# Altium PCB BMS.PcbDoc (part 1 of 3) (continued)
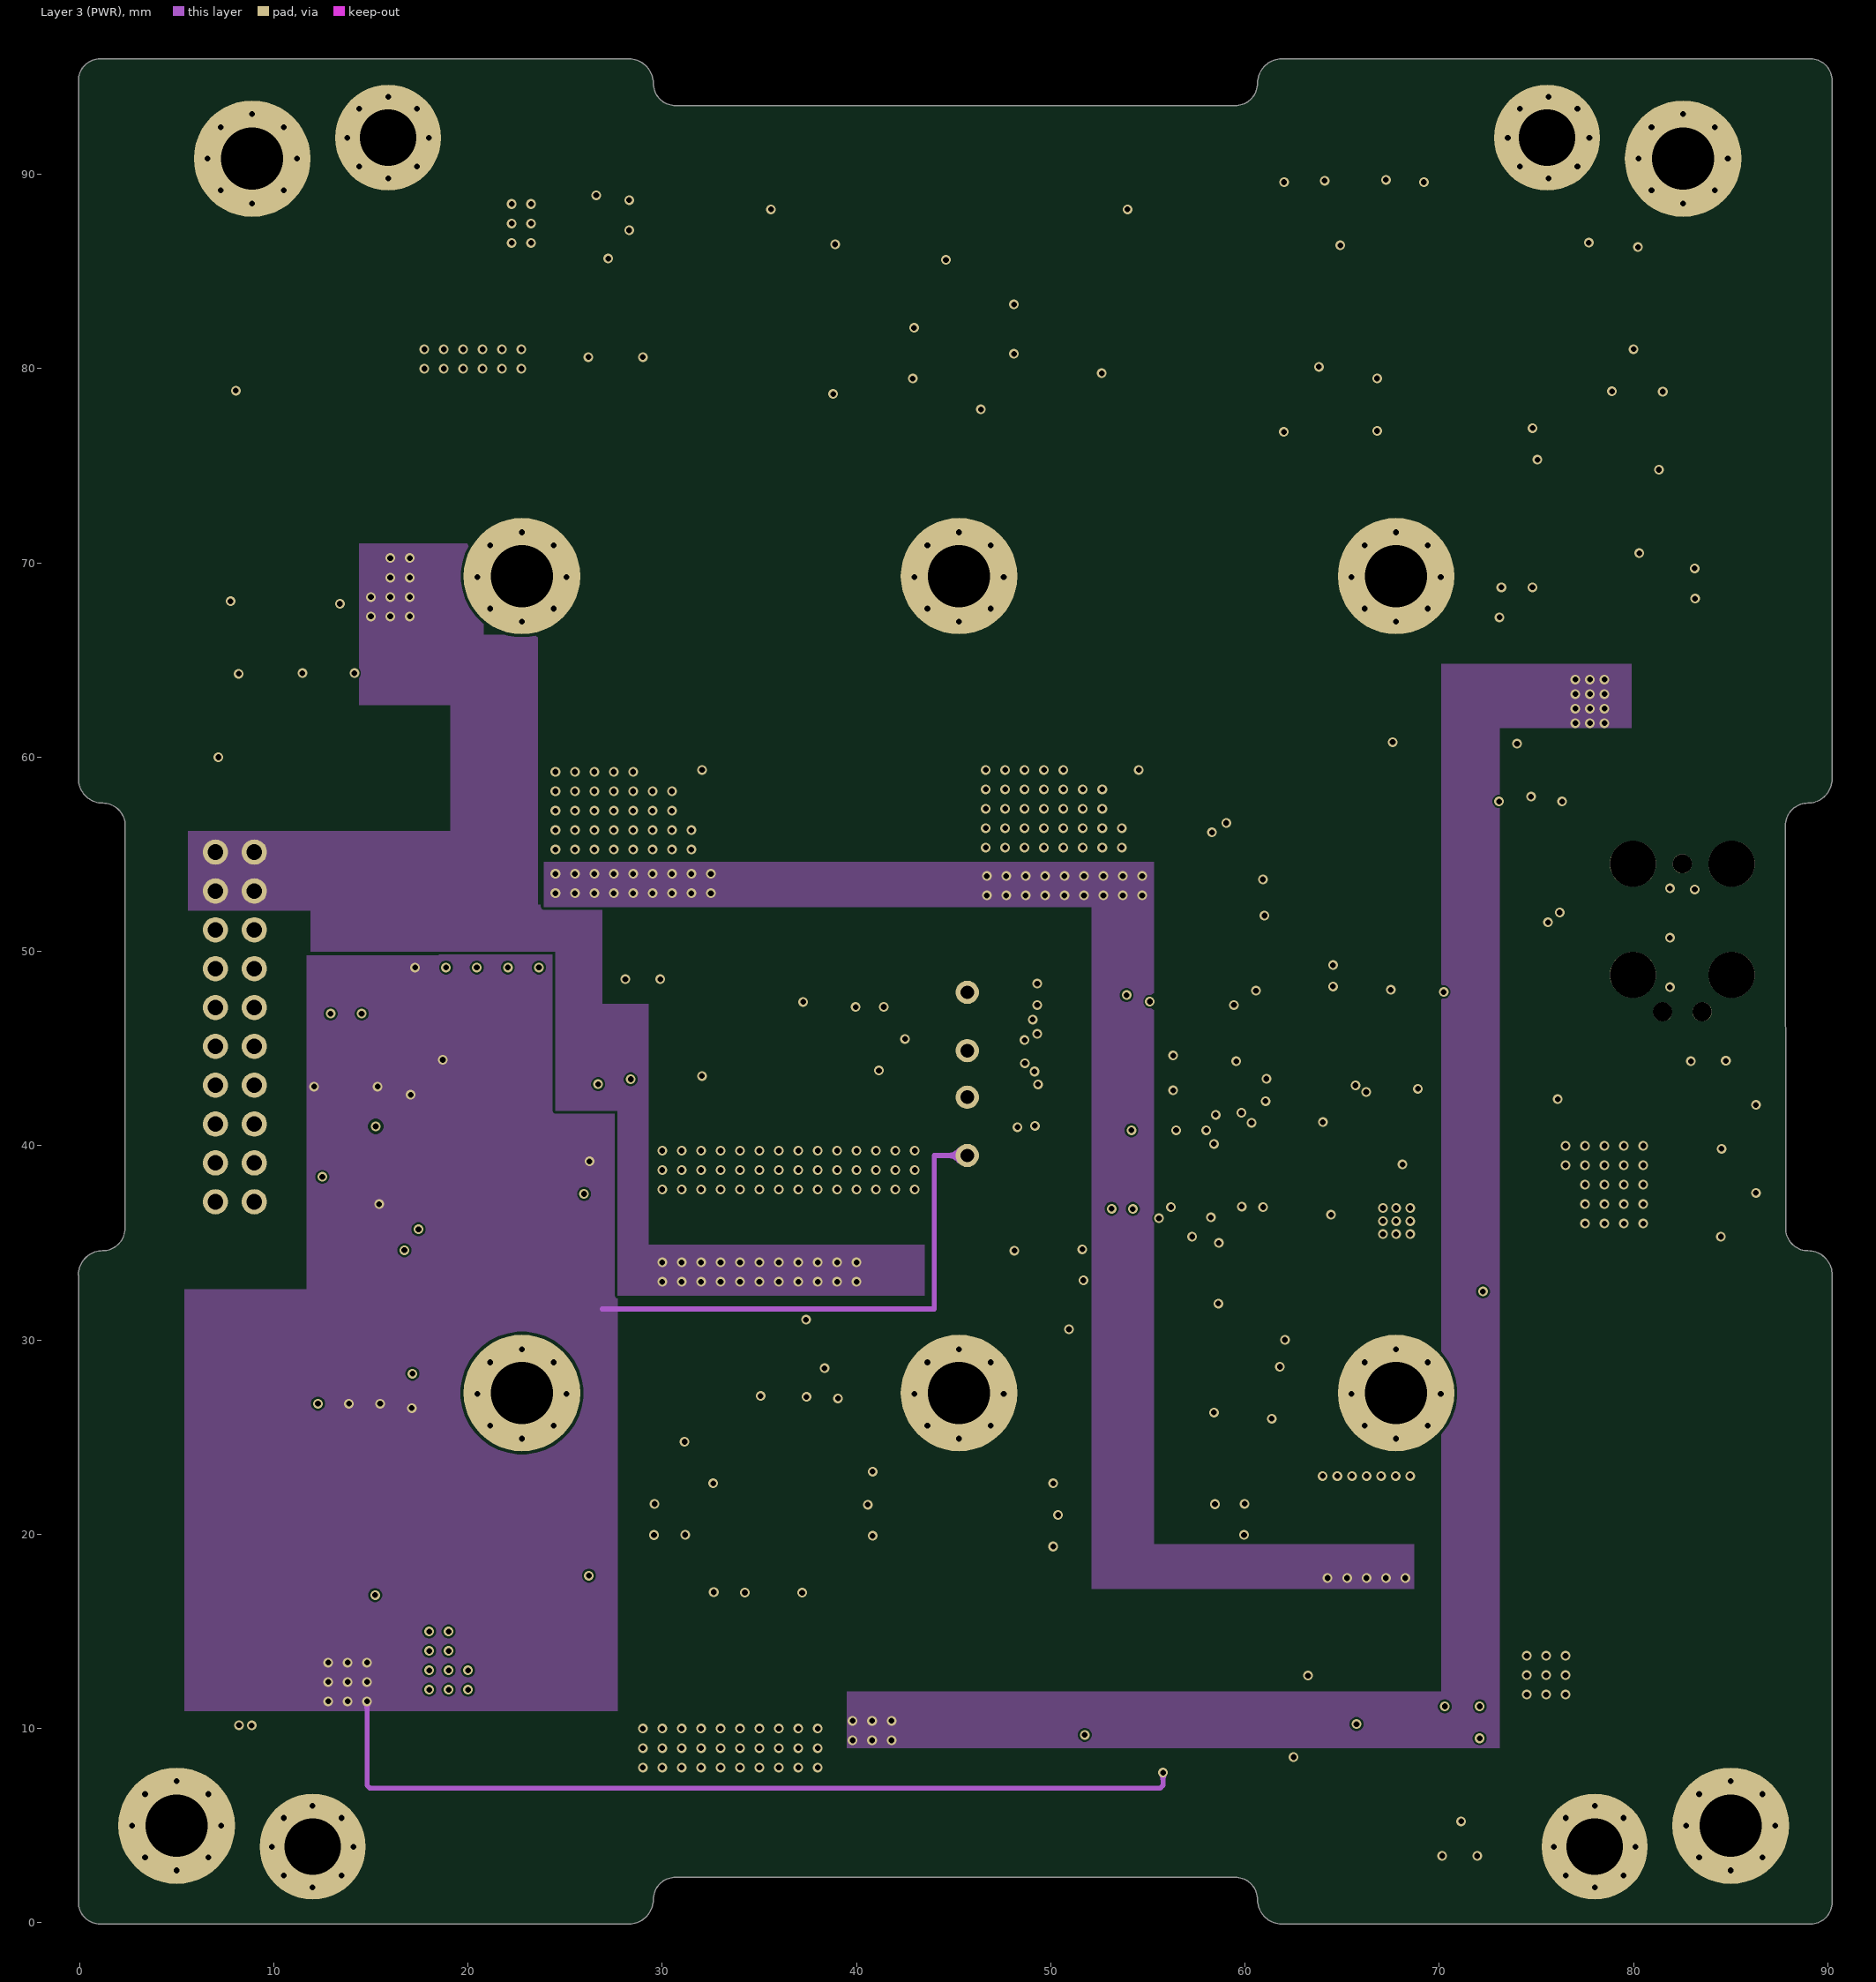
[diagram p4: Layer 3 (PWR)]
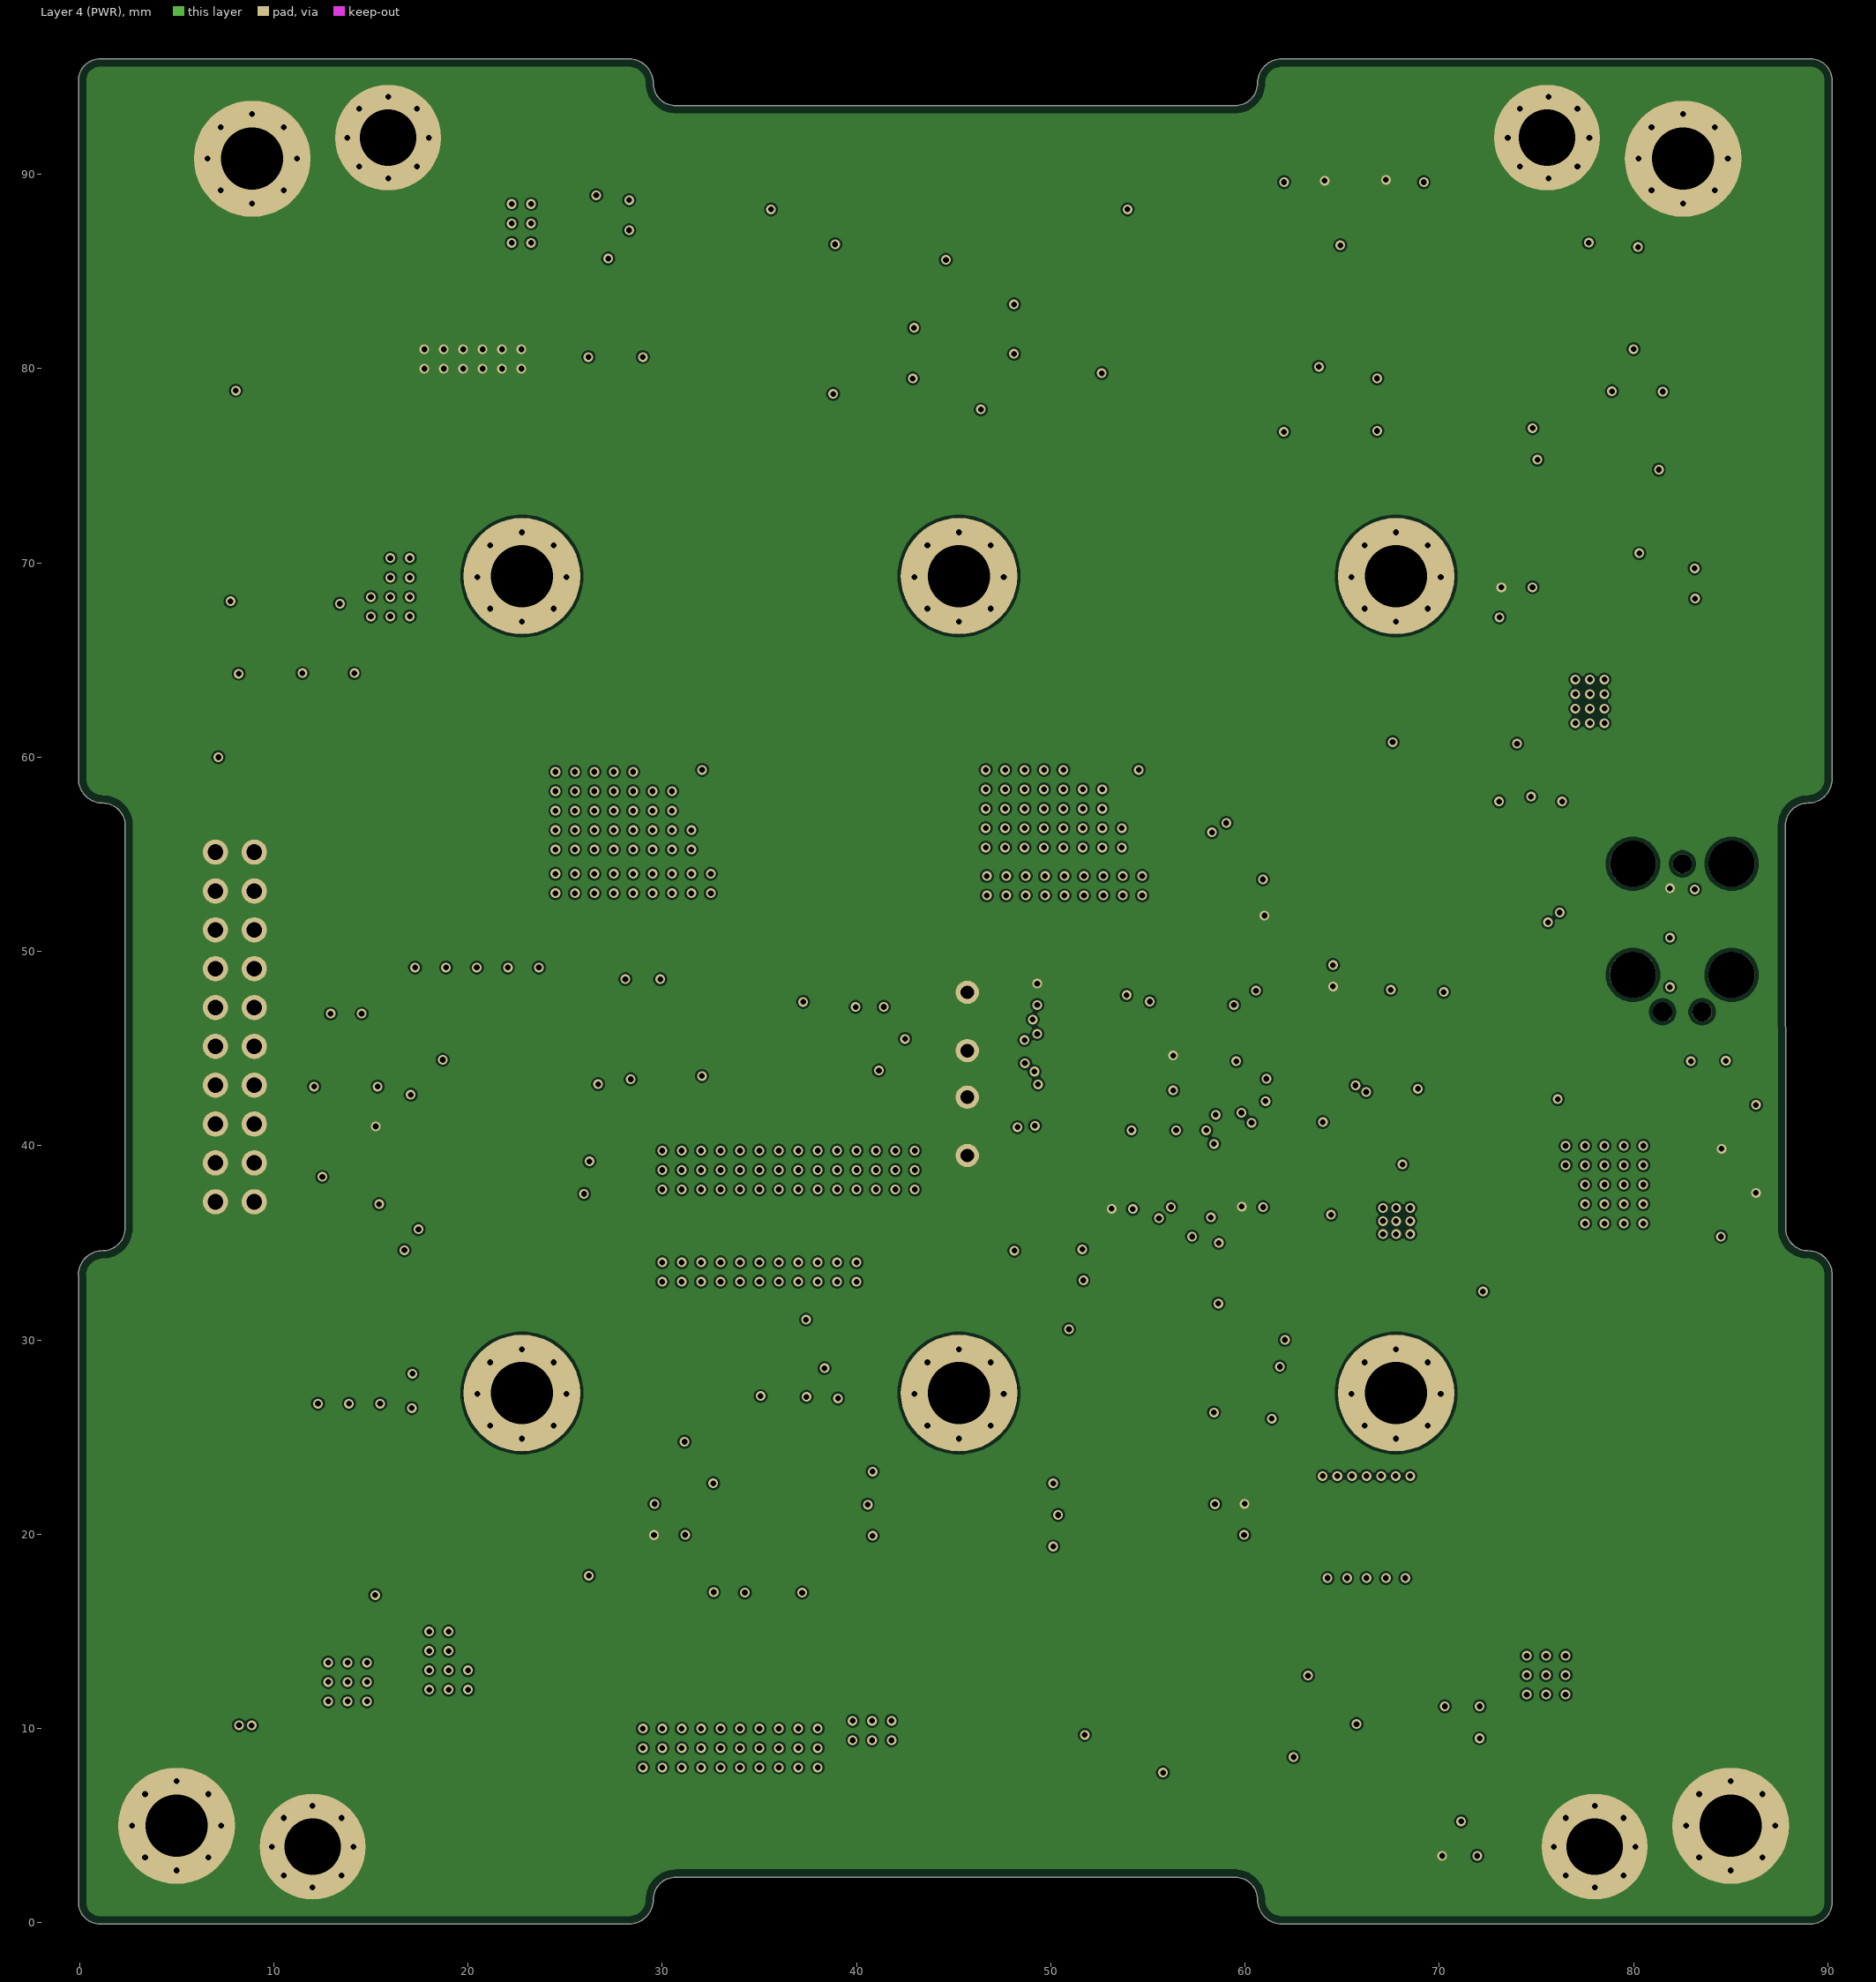
[diagram p5: Layer 4 (PWR)]
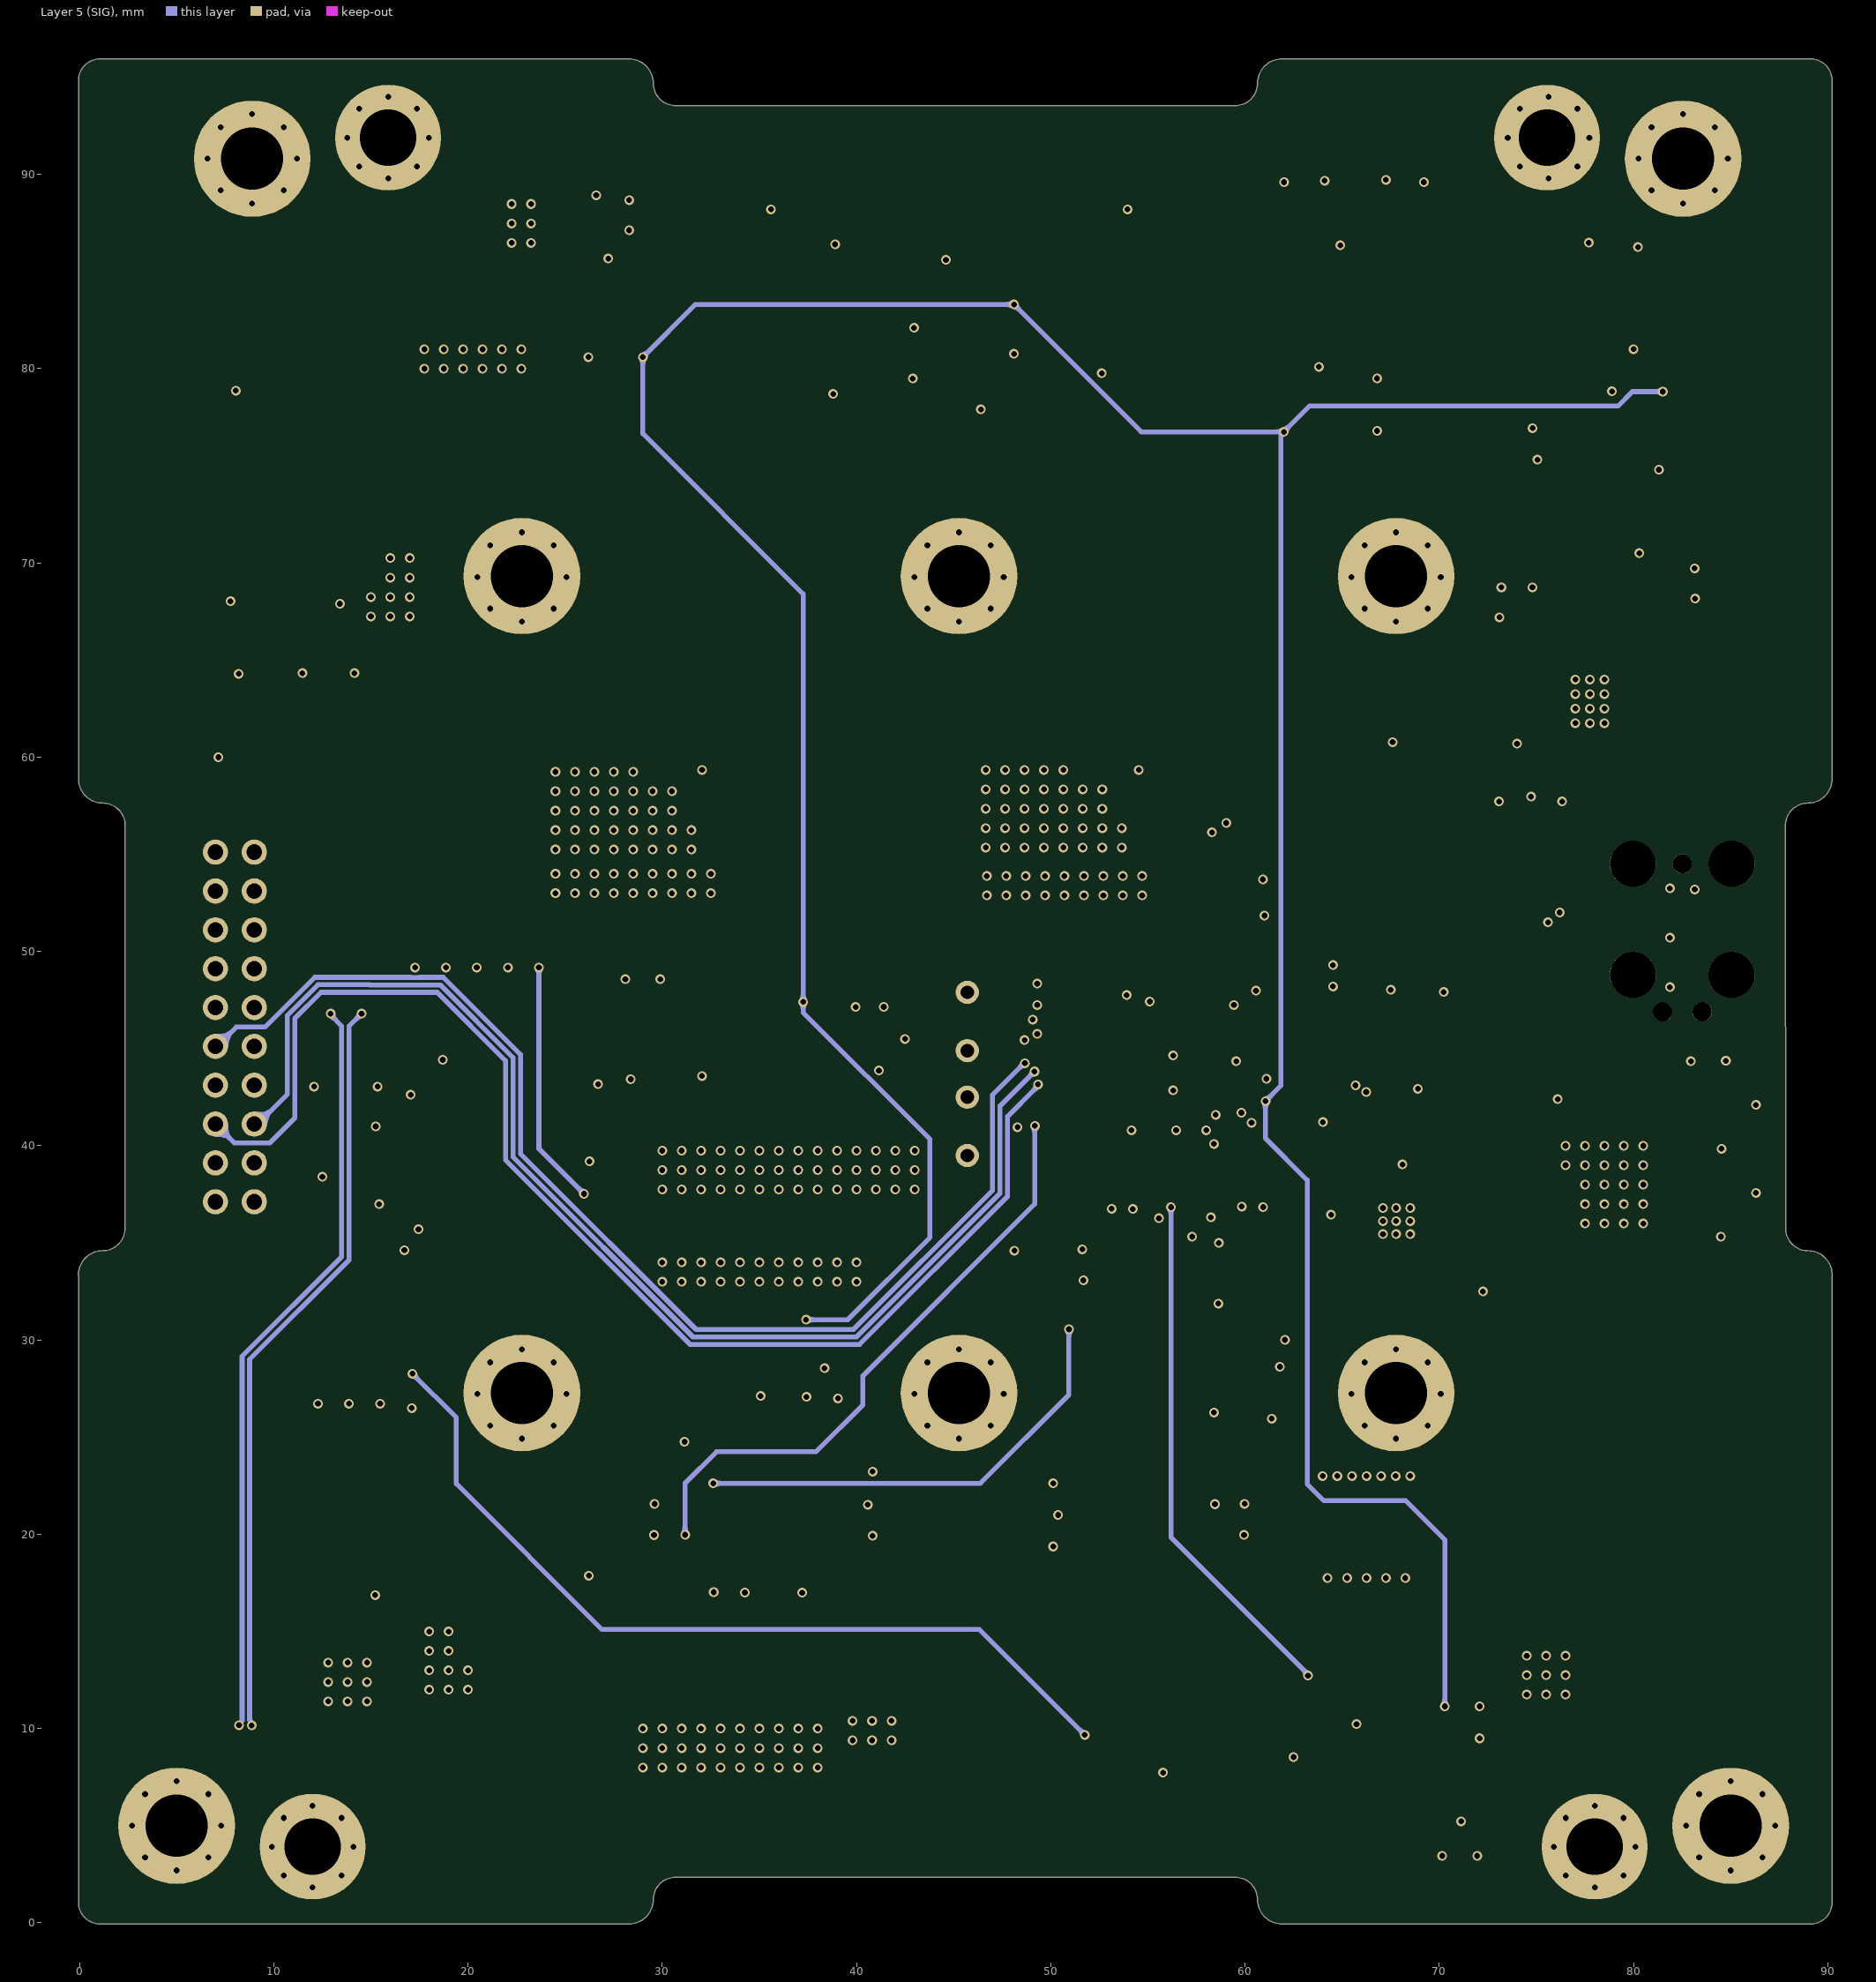
[diagram p6: Layer 5 (SIG)]
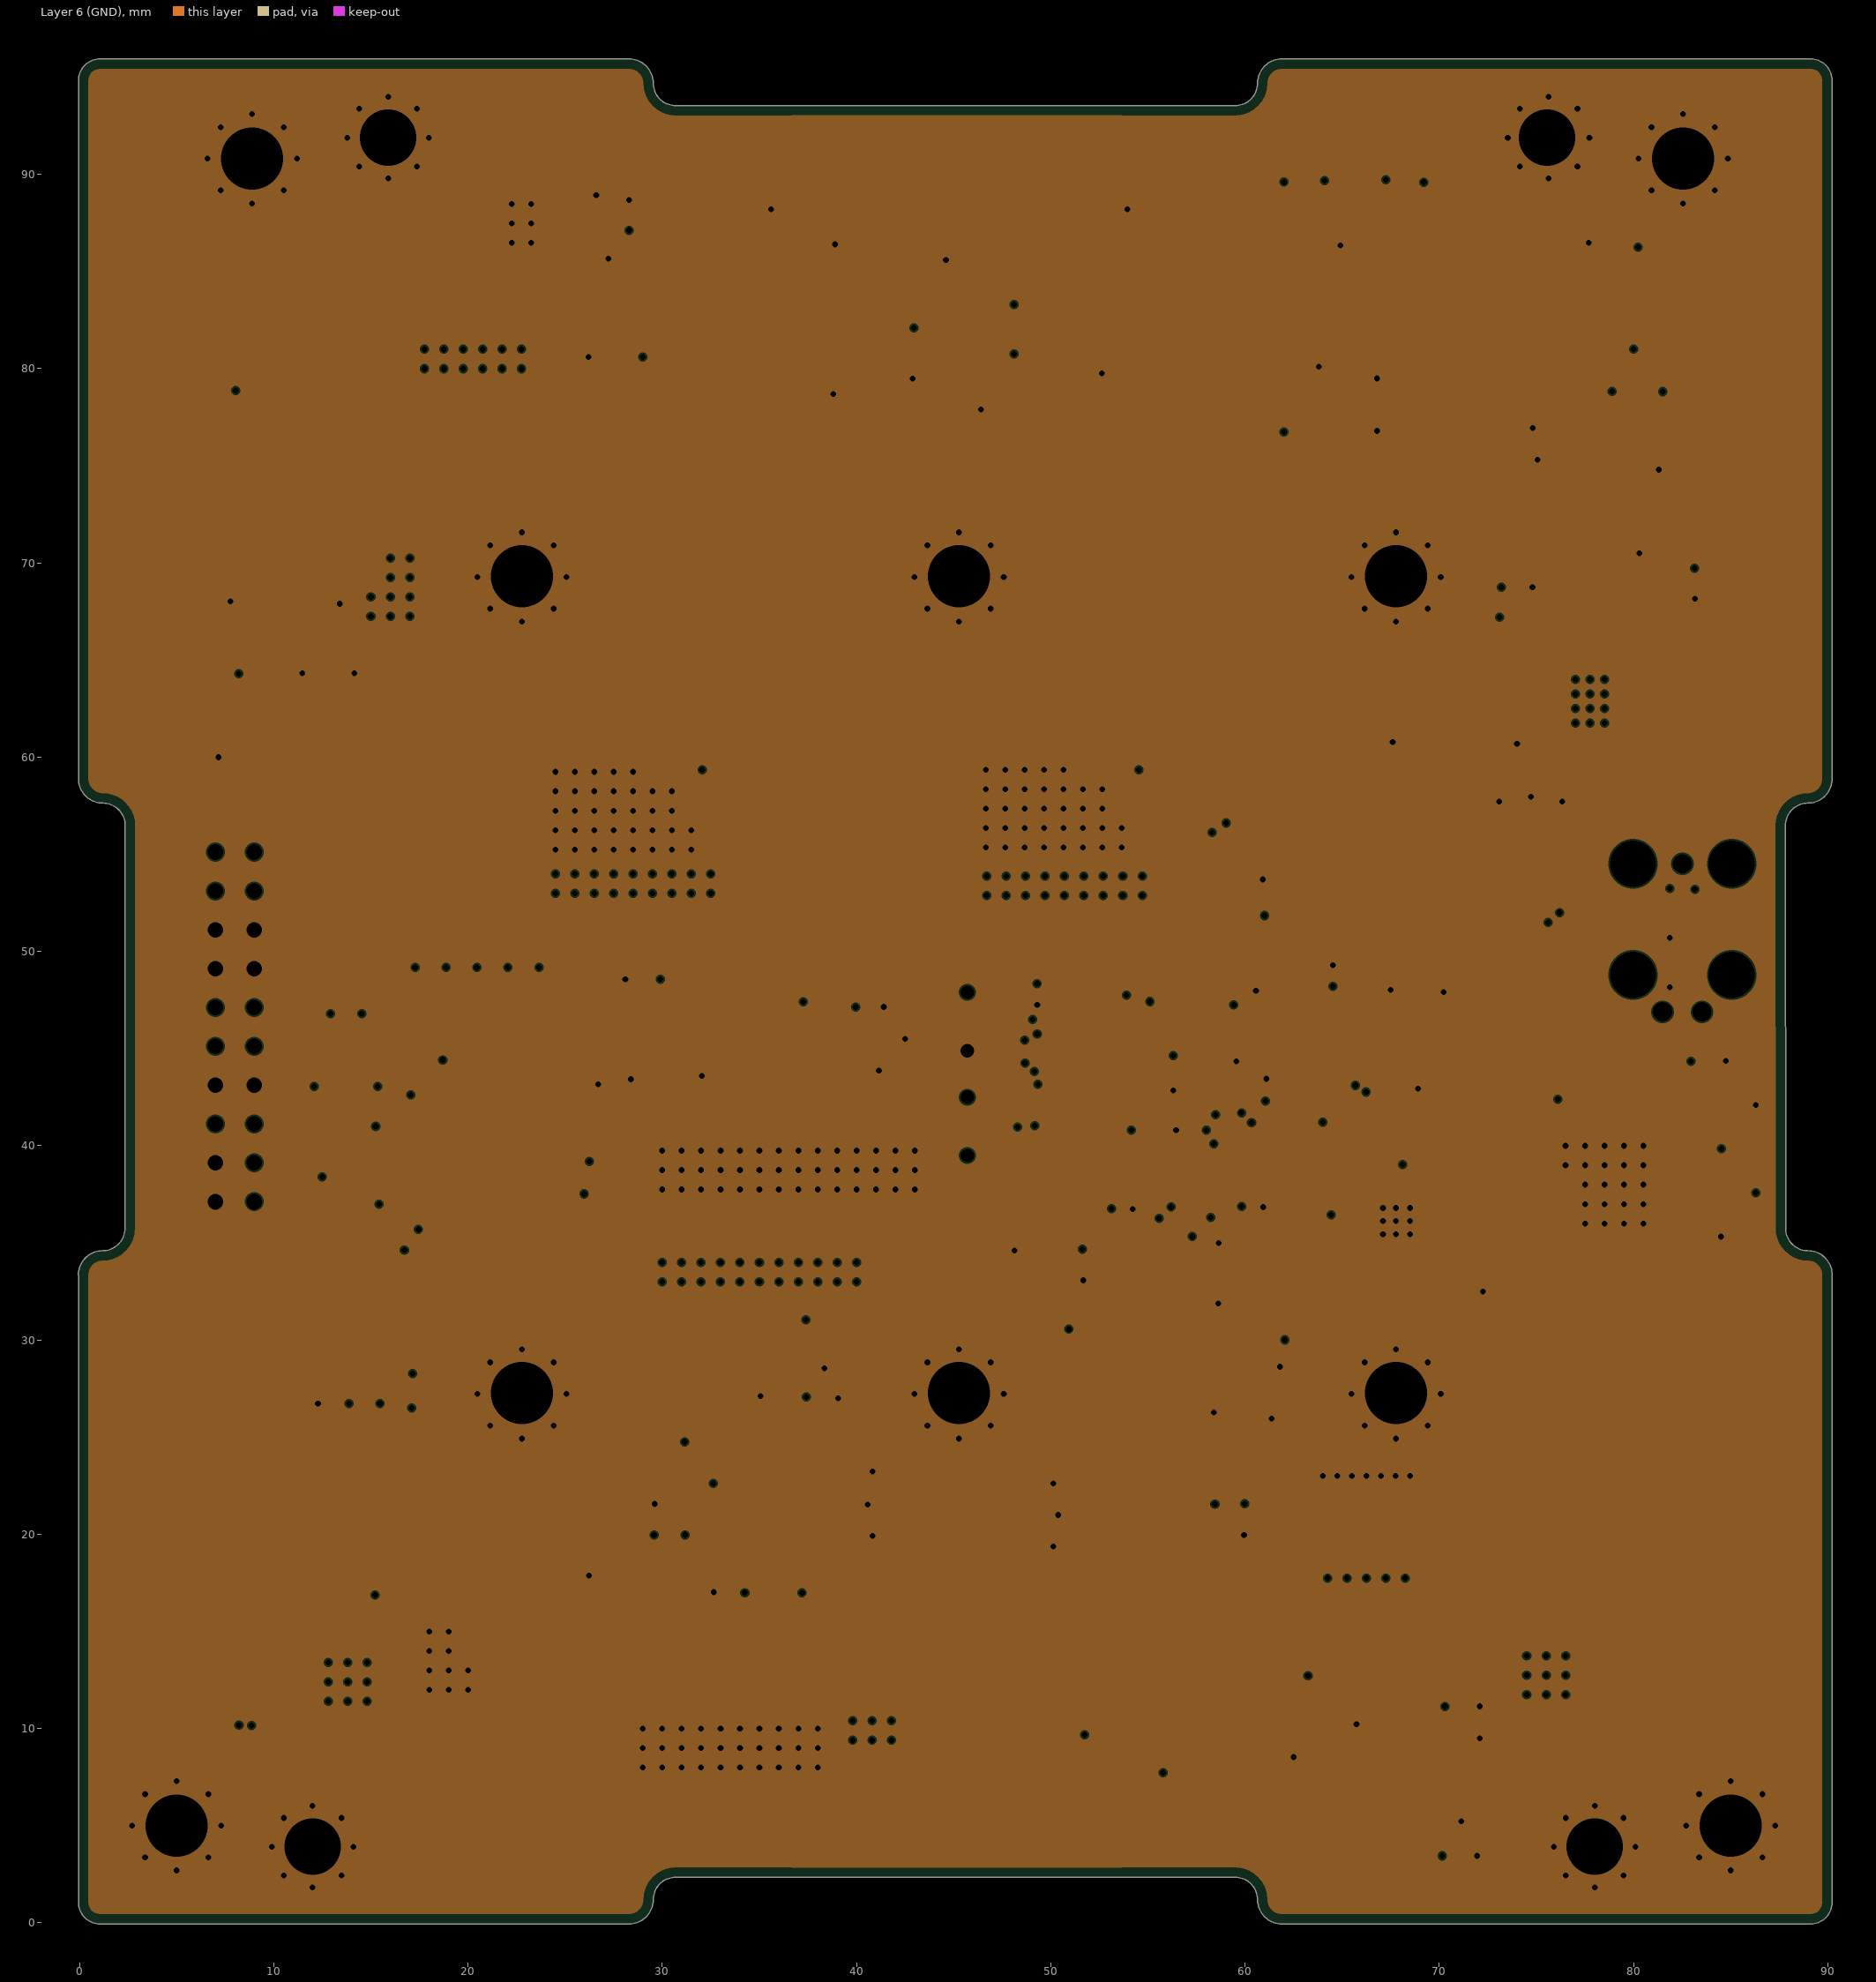
[diagram p7: Layer 6 (GND), clearances drawn from the general rule]

## Layer stack, top to bottom
Top Solder: solder mask 0.0102, Solder Resist, Dk 3.5
Top Layer (SIG): signal copper 0.0356
Dielectric 2: prepreg 0.0711, PP-006, Dk 4.1
Layer 1 (GND: plane copper 0.035, net GND
Dielectric 6: prepreg 0.0711, PP-006, Dk 4.1
Layer 2 (SIG): signal copper 0.035
Dielectric 4: prepreg 0.0711, PP-006, Dk 4.1
Layer 3 (PWR): signal copper 0.035
Dielectric 1: dielectric 0.32, FR-4, Dk 4.8
Layer 4 (PWR): signal copper 0.035
Dielectric 5: prepreg 0.0711, PP-006, Dk 4.1
Layer 5 (SIG): signal copper 0.035
Dielectric 7: prepreg 0.0711, PP-006, Dk 4.1
Layer 6 (GND): plane copper 0.035, net GND
Dielectric 3: prepreg 0.0711, PP-006, Dk 4.1
Bottom Layer (SIG): signal copper 0.0356
Bottom Solder: solder mask 0.0102, Solder Resist, Dk 3.5

## Board outline
-0.05,1.05 -0.05,33.327 -0.056,33.35 cw(c1.194,33.35) 1.194,34.6 ccw(c1.194,35.75) 2.344,35.75 2.35,56.485 2.35,56.49 ccw(c1.2,56.49) 1.2,57.64 cw(c1.2,58.89) -0.05,58.89 -0.05,94.84 cw(c1.05,94.84) 1.049,95.94 1.05,95.94 28.29,95.94 cw(c28.29,94.69) 29.54,94.69 ccw(c30.69,94.69) 30.69,93.54 36.55,93.54 53.75,93.55 53.78,93.54 59.49,93.54 ccw(c59.49,94.69) 60.64,94.69 cw(c61.89,94.69) 61.89,95.94 89.12,95.94 89.121,95.94 cw(c89.12,94.84) 90.22,94.84 90.22,58.89 cw(c88.97,58.89) 88.97,57.64 ccw(c88.97,56.49) 87.82,56.49 87.82,56.485 87.826,35.75 ccw(c88.976,35.75) 88.976,34.6 cw(c88.976,33.35) 90.226,33.35 90.22,33.327 90.22,1.05 cw(c89.12,1.05) 89.121,-0.05 89.12,-0.05 61.89,-0.05 cw(c61.89,1.2) 60.64,1.2 ccw(c59.49,1.2) 59.49,2.35 53.78,2.35 53.75,2.34 36.55,2.35 30.69,2.35 ccw(c30.69,1.2) 29.54,1.2 cw(c28.29,1.2) 28.29,-0.05 1.05,-0.05 1.049,-0.05 cw(c1.05,1.05)
